# KiCad board oculink-to-pcie-adapter.kicad_pcb (continued)
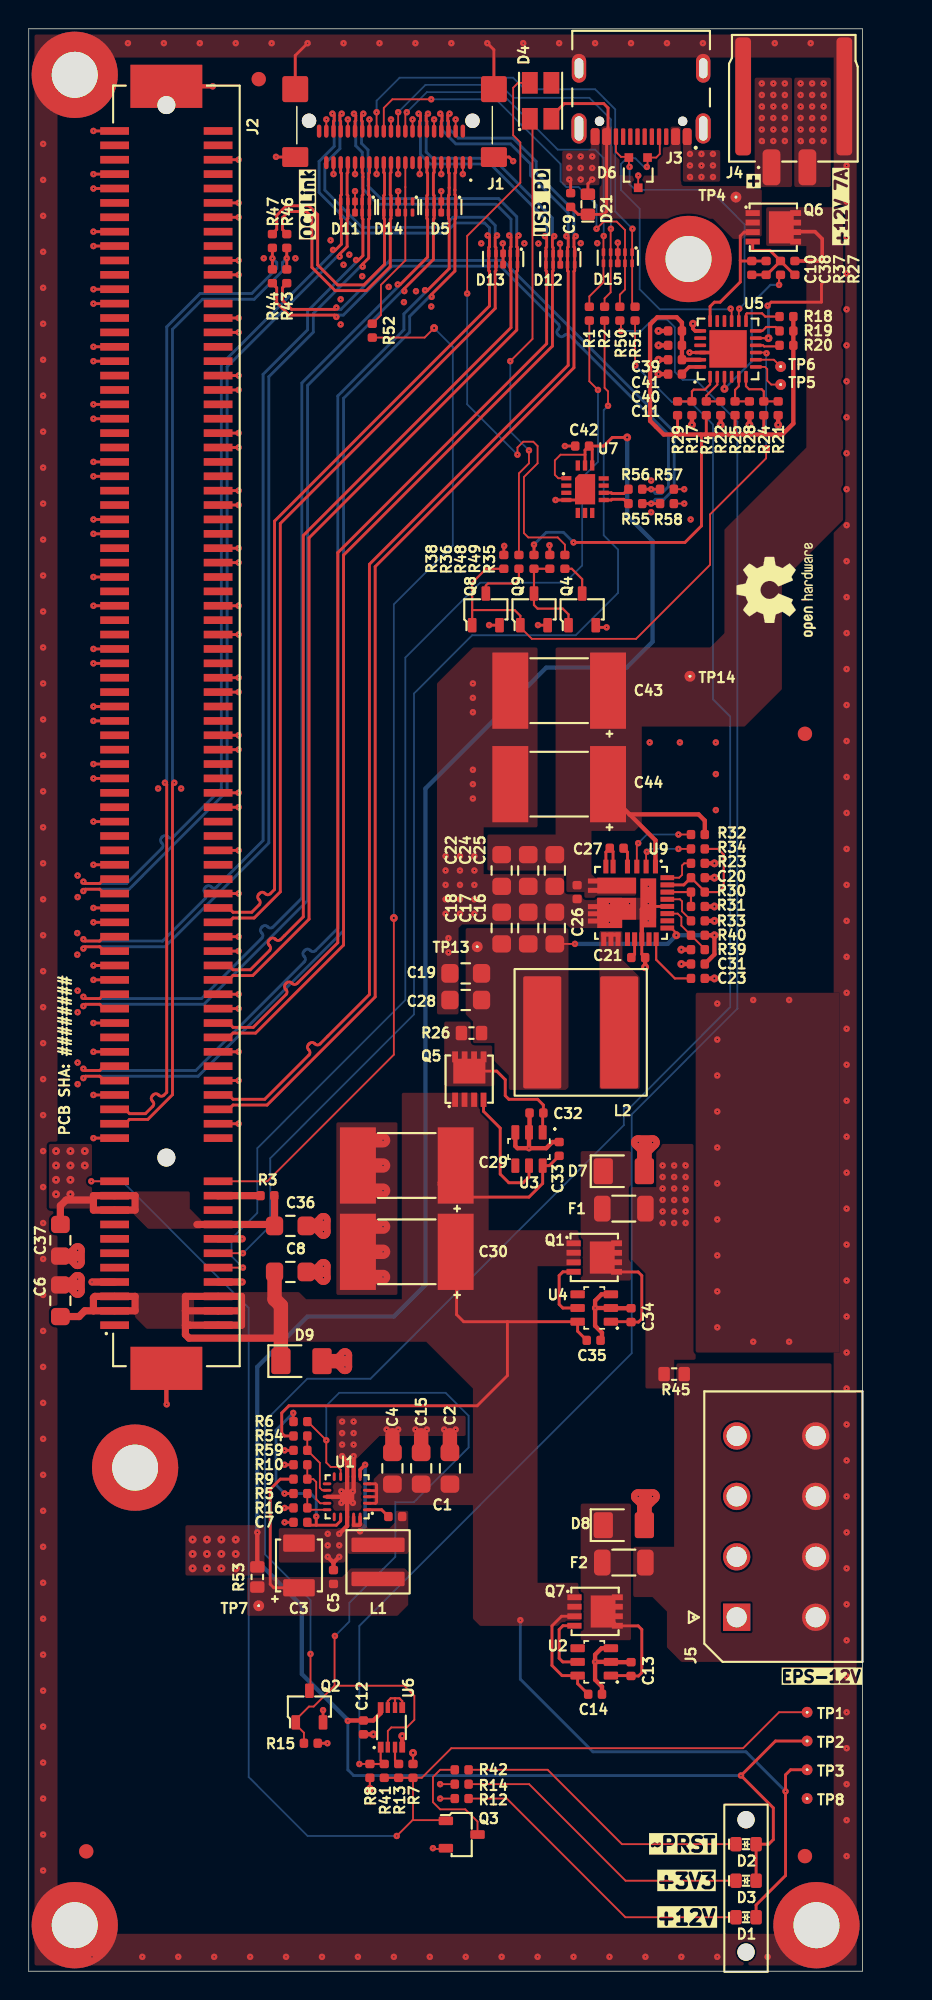
[diagram p0: board, top side]
## Library data of the parts (continued)
U6 = -: Datasheet: https://assets.nexperia.com/documents/data-sheet/74AUP2G132.pdf; Description: Low-power dual 2-input NAND Schmitt trigger; Manufacturer: Nexperia; Author: Antmicro; License: Apache-2.0
U7 = -: Datasheet: https://ww1.microchip.com/downloads/aemDocuments/documents/TCG/ProductDocuments/DataSheets/DSC557-03-04-05-Multiple-Output-MEMS-PCIe-Gen1-2-3-4-Clock-Generators-DS20006691.pdf; Description: Two output PCIe Clock Generator; Manufacturer: Microchip Technology; Val: 100 MHz; Author: Antmicro; License: Apache-2.0
U9 = -: Datasheet: https://www.vishay.com/docs/77113/sic47x.pdf; Description: DC/DC Synchronous Regulator, Adjustable, 4.5V to 55VIn, 0.8V to 50.6V/6AOut, 2MHz, PowerPAK MLP55-27; Manufacturer: Vishay; Author: Antmicro; License: Apache-2.0

## Footprints (pads in the part's own frame, mm; a bottom-side part is the same pattern mirrored in y, then rotated)
AMPHENOL_10146070-113Y0LF
  round 1.25 hole 1.25 unplated: (-29.851,0.5) (43.298,0.5)
  rect 0.53x2 smd: A1(-41.5,4.1) A2(-40.5,4.1) A3(-39.5,4.1) A4(-38.5,4.1) A5(-37.5,4.1) A6(-36.5,4.1) A7(-35.5,4.1) A8(-34.5,4.1) A9(-33.5,4.1) A10(-32.5,4.1) A11(-31.5,4.1) A12(-28.5,4.1) A13(-27.5,4.1) A14(-26.5,4.1) A15(-25.5,4.1) A16(-24.5,4.1) A17(-23.5,4.1) A18(-22.5,4.1) A19(-21.5,4.1) A20(-20.5,4.1) A21(-19.5,4.1) A22(-18.5,4.1) A23(-17.5,4.1) A24(-16.5,4.1) A25(-15.501,4.1) A26(-14.501,4.1) A27(-13.501,4.1) A28(-12.501,4.1) A29(-11.501,4.1) A30(-10.501,4.1) A31(-9.501,4.1) A32(-8.501,4.1) A33(-7.502,4.1) A34(-6.502,4.1) A35(-5.502,4.1) A36(-4.502,4.1) A37(-3.501,4.1) A38(-2.501,4.1) A39(-1.502,4.1) A40(-0.501,4.1) A41(0.498,4.1) A42(1.499,4.1) A43(2.499,4.1) A44(3.499,4.1) A45(4.498,4.1) A46(5.499,4.1) A47(6.499,4.1) A48(7.499,4.1) A49(8.499,4.1) A50(9.499,4.1) A51(10.499,4.1) A52(11.499,4.1) A53(12.499,4.1) A54(13.499,4.1) A55(14.499,4.1) A56(15.499,4.1) A57(16.498,4.1) A58(17.498,4.1) A59(18.498,4.1) A60(19.498,4.1) A61(20.498,4.1) A62(21.498,4.1) A63(22.498,4.1) A64(23.498,4.1) A65(24.498,4.1) A66(25.498,4.1) A67(26.498,4.1) A68(27.499,4.1) A69(28.499,4.1) A70(29.499,4.1) A71(30.499,4.1) A72(31.499,4.1) A73(32.499,4.1) A74(33.499,4.1) A75(34.499,4.1) A76(35.499,4.1) A77(36.499,4.1) A78(37.499,4.1) A79(38.499,4.1) A80(39.499,4.1) A81(40.499,4.1) A82(41.499,4.1) B1(-41.5,-3.1) B2(-40.5,-3.1) B3(-39.5,-3.1) B4(-38.5,-3.1) B5(-37.5,-3.1) B6(-36.5,-3.1) B7(-35.5,-3.1) B8(-34.5,-3.1) B9(-33.5,-3.1) B10(-32.5,-3.1) B11(-31.5,-3.1) B12(-28.5,-3.1) B13(-27.5,-3.1) B14(-26.5,-3.1) B15(-25.5,-3.1) B16(-24.5,-3.1) B17(-23.5,-3.1) B18(-22.5,-3.1) B19(-21.5,-3.1) B20(-20.5,-3.1) B21(-19.5,-3.1) B22(-18.5,-3.1) B23(-17.5,-3.1) B24(-16.5,-3.1) B25(-15.501,-3.1) B26(-14.501,-3.1) B27(-13.501,-3.1) B28(-12.501,-3.1) B29(-11.501,-3.1) B30(-10.501,-3.1) B31(-9.501,-3.1) B32(-8.501,-3.1) B33(-7.502,-3.1) B34(-6.502,-3.1) B35(-5.502,-3.1) B36(-4.502,-3.1) B37(-3.501,-3.1) B38(-2.501,-3.1) B39(-1.502,-3.1) B40(-0.501,-3.1) B41(0.498,-3.1) B42(1.499,-3.1) B43(2.499,-3.1) B44(3.499,-3.1) B45(4.498,-3.1) B46(5.499,-3.1) B47(6.499,-3.1) B48(7.499,-3.1) B49(8.499,-3.1) B50(9.499,-3.1) B51(10.499,-3.1) B52(11.499,-3.1) B53(12.499,-3.1) B54(13.499,-3.1) B55(14.499,-3.1) B56(15.499,-3.1) B57(16.498,-3.1) B58(17.498,-3.1) B59(18.498,-3.1) B60(19.498,-3.1) B61(20.498,-3.1) B62(21.498,-3.1) B63(22.498,-3.1) B64(23.498,-3.1) B65(24.498,-3.1) B66(25.498,-3.1) B67(26.498,-3.1) B68(27.499,-3.1) B69(28.499,-3.1) B70(29.499,-3.1) B71(30.499,-3.1) B72(31.499,-3.1) B73(32.499,-3.1) B74(33.499,-3.1) B75(34.499,-3.1) B76(35.499,-3.1) B77(36.499,-3.1) B78(37.499,-3.1) B79(38.499,-3.1) B80(39.499,-3.1) B81(40.499,-3.1) B82(41.499,-3.1)
  rect 3x5 smd: S1(-44.5,0.5) S2(44.6,0.5)
Amphenol_G14A421211112HR
  round 1 hole 1 unplated: (-5.42,1.395) (5.95,1.395)
  rrect 0.31x0.91 smd: A1(-4.75,2.115) A2(-4.25,2.115) A3(-3.75,2.115) A4(-3.25,2.115) A5(-2.75,2.115) A6(-2.25,2.115) A7(-1.75,2.115) A8(-1.25,2.115) A9(-0.75,2.115) A10(-0.25,2.115) A11(0.25,2.115) A12(0.75,2.115) A13(1.25,2.115) A14(1.75,2.115) A15(2.25,2.115) A16(2.75,2.115) A17(3.25,2.115) A18(3.75,2.115) A19(4.25,2.115) A20(4.75,2.115) A21(5.25,2.115) B1(-5.25,4.305) B2(-4.75,4.305) B3(-4.25,4.305) B4(-3.75,4.305) B5(-3.25,4.305) B6(-2.75,4.305) B7(-2.25,4.305) B8(-1.75,4.305) B9(-1.25,4.305) B10(-0.75,4.305) B11(-0.25,4.305) B12(0.25,4.305) B13(0.75,4.305) B14(1.25,4.305) B15(1.75,4.305) B16(2.25,4.305) B17(2.75,4.305) B18(3.25,4.305) B19(3.75,4.305) B20(4.25,4.305) B21(4.75,4.305)
  rrect 1.81x1.38 smd: SH(-6.91,3.915) SH(6.91,3.915)
  rrect 1.8x1.81 smd: SH(-6.91,-0.805) SH(6.91,-0.805)
C_0402_1005Metric
  rrect 0.59x0.64 smd: 1(-0.48,0) 2(0.48,0)
C_0805_2012Metric
  rrect 1.2x1.3 smd: 1(-1.1,0) 2(1.1,0)
C_Pol_EIA-B
  rrect 1.2x2.2 smd: 1(-1.551,0) 2(1.55,0)
C_Pol_Vishay-T59-EE
  trapezoid 2.5x5.3 smd: 1(-3.4,0) 2(3.4,0)
Conn_Molex_Nano-Fit_1x2_SMD_1054301202
  rrect 1.24x2.5 smd: 1(1.528,4.901) 2(-0.97,4.901)
  rrect 1.1x8.2 smd: MP(-3.54,-0.029) MP(3.499,-0.029)
F_1206_3216Metric
  rrect 1.15x1.8 smd: 1(-1.5,-0.001) 2(1.5,-0.001)
Fiducial_1mm_Mask2mm
  round 1 smd: (0,0)
L_Abracon_ASPIAIG-Q8080
  rrect 2.65x7.8 smd: 1(-2.675,0) 2(2.675,0)
L_WE-MAPI-4020
  rrect 1x3.7 smd: 1(-1.185,0) 2(1.185,0)
LED_0603_1608Metric_G
  rrect 0.8x1 smd: 1(-0.7,0) 2(0.7,0)
Mech_Lightpipe_Mentor_1296.2013
  round 1.2 hole 1.2 unplated: (0,4.96) (0,-4.24)
MOLEX_39288080
  rect 1.9x1.9 hole 1.4: 1(0,0)
  round 1.9 hole 1.4: 2(4.2,0) 3(8.4,0) 4(12.6,0) 5(0,-5.5) 6(4.2,-5.5) 7(8.4,-5.5) 8(12.6,-5.5)
MP_Pad6mm_Drill3.2mm
  round 6 hole 3.2: 1(0,0)
PLCC4_3.2x2.8mm
  rect 1.5x1.1 smd: 1(-1.255,0.74) 2(1.245,0.74) 3(1.245,-0.76) 4(-1.255,-0.76)
QFN-2L_1.6x1x0.55mm
  rrect 0.8x1 smd: 1(-0.7,0) 2(0.7,0)
QFN-20-1EP_3x3mm_P0.45mm
  oval 0.6x0.2 smd: 1(-1.401,0.903) 2(-1.401,0.453) 3(-1.401,0) 4(-1.401,-0.45) 5(-1.401,-0.9) 11(1.398,-0.9) 12(1.398,-0.45) 13(1.398,0) 14(1.398,0.453) 15(1.398,0.903)
  oval 0.2x0.6 smd: 6(-0.903,-1.398) 7(-0.453,-1.398) 8(0,-1.398) 9(0.45,-1.398) 10(0.9,-1.398) 16(0.9,1.401) 17(0.45,1.401) 18(0,1.401) 19(-0.453,1.401) 20(-0.903,1.401)
  rrect 1x1 smd: 21(0,0)
QFN-24-1EP_4x4mm_P0.5mm_EP2.6x2.6mm
  rrect 1.05x1.05 smd: (-0.652,0.652) (-0.652,-0.65) (0.65,0.652) (0.65,-0.65)
  rrect 0.825x0.25 smd: 1(-1.938,1.25) 2(-1.938,0.75) 3(-1.938,0.25) 4(-1.938,-0.248) 5(-1.938,-0.748) 6(-1.938,-1.249) 13(1.937,-1.249) 14(1.937,-0.748) 15(1.937,-0.248) 16(1.937,0.25) 17(1.937,0.75) 18(1.937,1.25)
  rrect 0.25x0.825 smd: 7(-1.25,-1.937) 8(-0.75,-1.937) 9(-0.25,-1.937) 10(0.248,-1.937) 11(0.748,-1.937) 12(1.249,-1.937) 19(1.249,1.938) 20(0.748,1.938) 21(0.248,1.938) 22(-0.25,1.938) 23(-0.75,1.938) 24(-1.25,1.938)
  rect 2.6x2.6 smd: 25(0,0)
R_0402_1005Metric
  rrect 0.59x0.64 smd: 1(-0.48,0) 2(0.48,0)
R_0603_1608Metric
  rrect 0.8x1 smd: 1(-0.7,0) 2(0.7,0)
SC70-3
  rect 0.6x0.6 smd: 1(-1.051,0.65) 2(-1.051,-0.65) 3(1.05,0)
SIC47XED-T1-GE3
  rect 0.95x0.35 smd: 1(-2.525,1.7) 2(-2.525,1.051) 3(-2.525,0.403) 4(-2.525,-0.247) 5(-2.525,-1.249) 6(-2.525,-1.749) 12(2.523,-1.898) 13(2.523,-1.398) 14(2.523,-0.9) 15(2.523,-0.247) 16(2.523,0.25) 17(2.523,0.75) 18(2.523,1.25) 19(2.523,1.75)
  rect 0.35x0.95 smd: 7(-1.52,-2.523) 8(-0.87,-2.523) 9(0.26,-2.523) 10(0.757,-2.523) 11(1.259,-2.523) 20(1.749,2.525) 21(1.249,2.525) 22(0.747,2.525) 23(0.247,2.525) 24(-0.25,2.525) 25(-0.75,2.525) 26(-1.25,2.525) 27(-1.75,2.525)
  rect 1.1x2.7 smd: 7(-1.2,-0.997)
  rect 1.52x2.7 smd: 9(0.409,-0.997)
  rect 2.1x1.73 smd: 9(0.699,-1.485)
  rect 0.3x1.35 smd: 14(2.2,-1.398)
  rect 3.4x1.1 smd: 28(0,1.2)
SOD-123FL
  rrect 1.34x1.8 smd: 1(-1.43,0) 2(1.429,0)
SOT-23-3
  rrect 1x0.6 smd: 1(-1.1,0.951) 2(-1.1,-0.949) 3(1.1,0.001)
SOT-23-6
  rrect 0.55x1 smd: 1(-0.954,-1.1) 2(-0.003,-1.1) 3(0.947,-1.1) 4(0.947,1.214) 5(-0.003,1.214) 6(-0.954,1.214)
TP_Pad0.75mm_Drill0.2mm
  round 0.75 hole 0.2: 1(0,0)
USB-C_Receptacle_GCT_USB4105-GF-A
  round 0.65 hole 0.65 unplated: (-2.891,2.426) (2.89,2.426)
  rrect 0.6x1.15 smd: A1(-3.202,3.5) A4(-2.4,3.5) A9(2.398,3.5) A12(3.2,3.5) B1(3.2,3.5) B4(2.398,3.5) B9(-2.4,3.5) B12(-3.202,3.5)
  rrect 0.3x1.15 smd: A5(-1.25,3.5) A6(-0.25,3.5) A7(0.248,3.5) A8(1.249,3.5) B5(1.749,3.5) B6(0.748,3.5) B7(-0.75,3.5) B8(-1.75,3.5)
  oval 1.05x2.1 hole 0.6x1.7: SH(-4.321,2.926) SH(4.32,2.926)
  oval 1x2 hole 0.6x1.4: SH(-4.321,-1.255) SH(4.32,-1.255)
USON-10_2.5x1mm_P0.5mm
  rrect 0.55x0.25 smd: 1(-0.387,1) 2(-0.387,0.5) 4(-0.387,-0.498) 5(-0.387,-0.998) 6(0.385,-0.998) 7(0.385,-0.498) 9(0.385,0.5) 10(0.385,1)
  rrect 0.55x0.4 smd: 3(-0.387,0) 8(0.385,0)
Vishay_PowerPAK_1212-8_Single
  rect 0.99x0.405 smd: 1(-1.436,0.99) 2(-1.436,0.332) 3(-1.436,-0.33) 4(-1.436,-0.988)
  custom 2.235x2.39 smd: 5(0.557,0)
VQFN-14-1EP_3.2x2.5mm_P0.5mm_Layout4x3
  rect 0.7x0.3 smd: 1(-1.3,0.762) 2(-1.3,0.25) 3(-1.3,-0.25) 4(-1.3,-0.75) 8(1.3,-0.75) 9(1.3,-0.25) 10(1.3,0.25) 11(1.3,0.75)
  rect 0.3x0.7 smd: 5(-0.5,-1.65) 6(0,-1.65) 7(0.5,-1.65) 12(0.5,1.65) 13(0,1.65) 14(-0.5,1.65)
  rrect 1.4x2.1 smd: 15(0.003,0)
VSSOP-8_2.3x2mm_P0.5mm
  rect 0.75x0.4 smd: 1(-1.372,0.742) 4(-1.372,-0.757) 5(1.377,-0.757) 8(1.377,0.742)
  rect 0.75x0.3 smd: 2(-1.372,0.244) 3(-1.372,-0.256) 6(1.377,-0.256) 7(1.377,0.244)

## Nets
+3V3: C12.2 C36.1 C37.1 C42.2 D2.2 D3.2 J2.A9 J2.A10 J2.B8 R3.1 R53.1 TP2.1 U6.8 U7.1 U7.12 U7.13
+12V: C2.2 C4.2 C6.1 C8.1 C14.2 C15.2 C29.1 C30.1 C33.2 C35.2 D1.2 D9.1 J2.A2 J2.A3 J2.B1 J2.B2 J2.B3 Q1.1 Q1.2 Q1.3 Q5.1 Q5.2 Q5.3 Q7.1 Q7.2 Q7.3 R54.1 TP3.1 U1.2 U1.3 U1.4 U1.5 U2.6 U3.6 U4.6
/PCIe-connector/3V3_PCIe_AUX: J2.B10 R3.2
/Power/3V3_BST: C1.1 U1.1
/Power/3V3_CONV: C3.1 C5.2 L1.2 R9.2 R53.2 TP7.1
/Power/3V3_EN: R54.2 R59.2 U1.12
/Power/3V3_FB: R9.1 R10.2 U1.14
/Power/3V3_MODE: R5.1 R16.1 U1.15
/Power/3V3_PG: Q2.1 R6.2 R15.2 U1.9 U6.2
/Power/3V3_SW: C1.2 L1.1 U1.6 U1.19 U1.20
/Power/3V3_VCC: C7.2 R5.2 R6.1 U1.17
/Power/Ideal-diode-1/VIN: C34.2 D7.1 F1.2 Q1.5 U4.1
/Power/Ideal-diode-2/VIN: C13.2 D8.1 F2.2 Q7.5 U2.1
/Power/VCC_DC_CONN_1: F1.1 J4.1 R45.2
/Power/VCC_DC_CONN_2: F2.1 J5.5 J5.6 J5.7 J5.8 R45.1
/Power/VCC_PD: C32.2 Q5.5 R26.1 U3.1
/USB-PD/12V_BOOT: C27.1 U9.4
/USB-PD/12V_CONV: C16.2 C17.2 C18.2 C19.2 C28.2 C31.2 L2.2 R26.2 R40.2 TP13.1 U9.20
/USB-PD/12V_EN: R32.1 U9.3
/USB-PD/12V_FB: R39.2 R40.1 U9.22
/USB-PD/12V_FSW: R33.2 U9.24
/USB-PD/12V_ILIM: R30.2 R31.2 U9.25
/USB-PD/12V_MODE: R23.1 U9.27
/USB-PD/12V_PG: R34.1 U9.2
/USB-PD/12V_SS: C23.1 U9.19
/USB-PD/12V_SW: L2.1 U9.12 U9.13 U9.14
/USB-PD/12V_VDD: C20.2 R30.1 R34.2 U9.26
/USB-PD/12V_VDRV: C21.2 U9.16
/USB-PD/VBUS_EN: R37.1 U5.3
/USB-PD/VBUS_MAX: R4.1 R22.2 U5.2
/USB-PD/VBUS_MIN: R17.2 R29.1 U5.1
/USB-PD/VCC: C22.2 C24.2 C25.2 C26.2 C38.2 C43.1 C44.1 Q6.5 R32.2 TP14.1 U5.11 U9.1 U9.7 U9.8
/USB-PD/VCCD_1V8: C11.2 U5.24
/USB-PD/VDDD_3V3: C39.2 C40.2 C41.2 R4.2 R18.2 R19.2 R20.2 R24.2 R25.2 R29.2 R48.2 U5.23
GND: C2.1 C3.2 C4.1 C5.1 C6.2 C7.1 C8.2 C9.1 C11.1 C12.1 C13.1 C14.1 C15.1 C16.1 C17.1 C18.1 C19.1 C20.1 C21.1 C22.1 C23.2 C24.1 C25.1 C26.1 C28.1 C29.2 C30.2 C31.1 C32.1 C33.1 C34.1 C35.1 C36.2 C37.2 C39.1 C40.1 C41.1 C42.1 C43.2 C44.2 D5.3 D5.8 D6.3 D7.2 D8.2 D9.2 D11.3 D11.8 D12.3 D12.8 D13.3 D13.8 D14.3 D14.8 D15.3 D15.8 D21.2 J1.A2 J1.A5 J1.A8 J1.A11 J1.A14 J1.A17 J1.A20 J1.B2 J1.B5 J1.B8 J1.B11 J1.B14 J1.B17 J1.B20 J1.SH J2.A4 J2.A12 J2.A15 J2.A18 J2.A20 J2.A23 J2.A24 J2.A27 J2.A28 J2.A31 J2.A34 J2.A37 J2.A38 J2.A41 J2.A42 J2.A45 J2.A46 J2.A49 J2.A51 J2.A54 J2.A55 J2.A58 J2.A59 J2.A62 J2.A63 J2.A66 J2.A67 J2.A70 J2.A71 J2.A74 J2.A75 J2.A78 J2.A79 J2.A82 J2.B4 J2.B7 J2.B13 J2.B16 J2.B18 J2.B21 J2.B22 J2.B25 J2.B26 J2.B29 J2.B32 J2.B35 J2.B36 J2.B39 J2.B40 J2.B43 J2.B44 J2.B47 J2.B49 J2.B52 J2.B53 J2.B56 J2.B57 J2.B60 J2.B61 J2.B64 J2.B65 J2.B68 J2.B69 J2.B72 J2.B73 J2.B76 J2.B77 J2.B80 J2.S1 J2.S2 J3.A1 J3.A12 J3.B1 J3.B12 J3.SH J4.2 J4.MP J5.1 J5.2 J5.3 J5.4 MP1.1 MP2.1 MP3.1 MP4.1 MP5.1 Q2.2 Q3.2 Q4.2 Q8.2 Q9.2 R7.1 R8.1 R10.1 R12.1 R14.1 R15.1 R16.2 R17.1 R21.1 R22.1 R23.2 R28.1 R31.1 R33.1 R38.1 R39.1 R49.1 R57.1 R58.1 R59.1 TP8.1 U1.7 U1.8 U1.13 U1.18 U1.21 U2.2 U2.3 U3.2 U3.3 U4.2 U4.3 U5.19 U5.22 U5.25 U6.4 U7.4 U7.15 U9.9 U9.10 U9.11 U9.17 U9.23 U9.28
VBUS: C9.2 C10.2 D4.4 D21.1 J3.A4 J3.A9 J3.B4 J3.B9 Q6.1 Q6.2 Q6.3 R27.2 TP4.1 U5.18
/OCuLink/I2C0.SCL: J2.B5 R1.2
/OCuLink/I2C0.SDA: J2.B6 R2.2
/OCuLink/I2C0C_SCL: D15.5 D15.6 J1.A9 R1.1
/OCuLink/I2C0C_SDA: D15.4 D15.7 J1.A10 R2.1
/OCuLink/PCIe_{REF0}.CK+: J2.A13 R43.2 R46.2
/OCuLink/PCIe_{REF0}.CK-: J2.A14 R44.2 R47.2
/OCuLink/PCIe_{REF0}_R.CK+: D14.4 D14.7 J1.B12 R46.1
/OCuLink/PCIe_{REF0}_R.CK-: D14.5 D14.6 J1.B13 R47.1
/OCuLink/PCIe_{x4}.RX0+: D5.1 D5.10 J1.B3 J2.A16
/OCuLink/PCIe_{x4}.RX0-: D5.2 D5.9 J1.B4 J2.A17
/OCuLink/PCIe_{x4}.RX1+: D5.4 D5.7 J1.B6 J2.A21
/OCuLink/PCIe_{x4}.RX1-: D5.5 D5.6 J1.B7 J2.A22
/OCuLink/PCIe_{x4}.RX2+: D11.1 D11.10 J1.B15 J2.A25
/OCuLink/PCIe_{x4}.RX2-: D11.2 D11.9 J1.B16 J2.A26
/OCuLink/PCIe_{x4}.RX3+: D11.4 D11.7 J1.B18 J2.A29
/OCuLink/PCIe_{x4}.RX3-: D11.5 D11.6 J1.B19 J2.A30
/OCuLink/PCIe_{x4}.TX0+: D12.1 D12.10 J1.A3 J2.B14
/OCuLink/PCIe_{x4}.TX0-: D12.2 D12.9 J1.A4 J2.B15
/OCuLink/PCIe_{x4}.TX1+: D12.4 D12.7 J1.A6 J2.B19
/OCuLink/PCIe_{x4}.TX1-: D12.5 D12.6 J1.A7 J2.B20
/OCuLink/PCIe_{x4}.TX2+: D13.1 D13.10 J1.A15 J2.B23
/OCuLink/PCIe_{x4}.TX2-: D13.2 D13.9 J1.A16 J2.B24
/OCuLink/PCIe_{x4}.TX3+: D13.4 D13.7 J1.A18 J2.B27
/OCuLink/PCIe_{x4}.TX3-: D13.5 D13.6 J1.A19 J2.B28
/OCuLink/~{CPRSNTC}: D15.1 D15.10 J1.A13 R51.1
/OCuLink/~{CPRSNT}: Q2.3 R51.2
/OCuLink/~{PERSTC}: D15.2 D15.9 J1.A12 R50.1
/OCuLink/~{WAKEC}: D14.2 D14.9 J1.B10 R52.1
/OCuLink/~{WAKE}: J2.B11 R52.2
/PCIe-clock-generator/PCIe_{REF1}_R2.CK+: R55.1 U7.8
/PCIe-clock-generator/PCIe_{REF1}_R2.CK-: R56.1 U7.9
/PCIe-clock-generator/PCIe_{REF1}_R.CK+: R43.1 R55.2 R58.2
/PCIe-clock-generator/PCIe_{REF1}_R.CK-: R44.1 R56.2 R57.2
/Power/PERST: U6.5 U6.6 U6.7
/Power/~{PERST_CONN}: R8.2 R41.1 R50.2 U6.1
/Power/~{PERST}: J2.A11 Q3.1 R7.2 R13.2 R41.2 TP1.1
/USB-PD/CC1: D6.1 J3.A5 U5.15
/USB-PD/CC2: D6.2 J3.B5 U5.14
/USB-PD/FAULT: Q8.1 Q9.1 R38.2 U5.9
/USB-PD/FLIP: R20.1 U5.10
/USB-PD/GPIO_1: TP6.1 U5.8
/USB-PD/ISNK_COARSE: R25.1 R28.2 U5.5
/USB-PD/ISNK_FINE: R21.2 R24.1 U5.6
/USB-PD/SCL: R18.1 U5.13
/USB-PD/SDA: R19.1 U5.12
/USB-PD/~{FAULT}: Q4.1 Q9.3 R48.1 R49.2
/USB-PD/~{HPI_INT}: TP5.1 U5.7
Net-(C27-Pad2): C27.2 U9.5 U9.6
Net-(D1-C): D1.1 R12.2
Net-(D2-C): D2.1 R42.2
Net-(D3-C): D3.1 R14.2
Net-(D4-C_{G}): D4.2 R35.2
Net-(D4-C_{R}): D4.1 R36.2
Net-(Q1-G): Q1.4 U4.5
Net-(Q3-D): Q3.3 R42.1
Net-(Q4-D): Q4.3 R35.1
Net-(Q5-G): Q5.4 U3.5
Net-(Q6-G): C10.1 C38.1 Q6.4 R27.1 R37.2
Net-(Q7-G): Q7.4 U2.5
Net-(Q8-D): Q8.3 R36.1
Net-(U6-2Y): R13.1 U6.3

Pads without a net: D4 3; D14 1 10; J1 A1 A21 B1 B9 B21; J2 A1 A5 A6 A7 A8 A19 A32 A33 A35 A36 A39 A40 A43 A44 A47 A48 A50 A52 A53 A56 A57 A60 A61 A64 A65 A68 A69 A72 A73 A76 A77 A80 A81 B9 B12 B17 B30 B31 B33 B34 B37 B38 B41 B42 B45 B46 B48 B50 B51 B54 B55 B58 B59 B62 B63 B66 B67 B70 B71 B74 B75 B78 B79 B81 B82; J3 A6 A7 A8 B6 B7 B8; U1 10 11 16; U2 4; U3 4; U4 4; U5 4 16 17 20 21; U7 2 3 5 6 7 10 11 14; U9 15 18 21

## Via types
v1: diameter 0.55, hole 0.15, Top to Bottom, 51 vias
v2: diameter 0.45, hole 0.1, Top to Bottom, 532 vias

## Routing (per net, layer and track width the routed paths; a pad name or vN(x,y) marks a point on that pad's centre or on a via; arc(x,y) is an arc through that point)
+3V3: length 190.9
  Top w0.125: U7.1 36.84,103.76 36.6,104 36.6,105 37,105.4 38.7,105.4
  Top w0.2: C42.2 39.2,105.78 U7.12 ; C42.2 40,106 40.6,106.6 v1(41.63,106.6) ; C42.2 38.7,105.72 U7.13 ; D3.2 D2.2 51.48,8.83 51.8,9.15 51.8,11.35 v2(49.55,13.6) 51.95,16 TP2.1
  Top w0.3: 24.48,18.32 24.48,17.93 23.97,17.43 C12.2 22.23,17.43 v2(22.2,17.4) ; R53.1 v2(15.9,30.5)
  Top w0.5: 11.7,51.9 J2.B8 17,51.9 C36.1 17.1,53.88 R3.1 ; 4.5,53.6 4.5,53.9 J2.A10 7.4,53.9 7.4,52.9 J2.A9 4.5,52.9 4.5,53.6 ; 4.5,53.6 2.6,53.6 2.2,53.2 C37.1
  Bottom w0.2: v2(49.55,13.6) 22.6,13.6 22.2,14 v2(22.2,17.4)
  Bottom w0.3: v1(41.63,106.6) 41.63,101.17 43.4,99.4 43.4,92.4 41.6,90.6 36,90.6 27.6,82.2 27.6,47.7 25.4,45.5 19.4,45.5 15.9,42 v2(15.9,30.5) 15.9,28.5 19,25.4 19,20.65 22.2,17.45 v2(22.2,17.4)
  vias: v1(1.9,57) v1(1.9,56) v1(1.9,55) v1(1.9,54) v1(2.9,57) v1(2.9,56) v1(2.9,55) v1(2.9,54) v1(3.9,57) v1(3.9,56) v1(11.4,30) v1(11.4,29) v1(11.4,28) v1(12.4,30) v1(12.4,29) v1(12.4,28) v1(13.4,30) v1(13.4,29) v1(13.4,28) v1(14.4,30) v1(14.4,29) v1(14.4,28)
+12V: length 139.9
  Top w0.2: 24.2,33.6 24.2,33.8 24.12,33.88 23.55,33.88 ; 24.2,33.6 24.2,33.4 23.58,33.4 U1.4 ; 24.2,33.6 24.2,33 ; C14.2 38.19,19.98 U2.6 37.1,20.55 36.4,21.25 36.4,24 37.07,24.67 Q7.3 ; C33.2 36.22,55.99 U3.6 35.75,54.75 34.8,53.8 29.4,53.8 28.55,54.65 28.55,54.82 29.76,56.03 ; 24.2,33 24.2,32.6 24.12,32.52 U1.2 ; 24.2,33 24.17,32.97 U1.3 ; 33.3,45.14 U4.6 38.19,44.48 C35.2 ; 33.3,45.14 33.3,41.4 31.2,39.3 18.1,39.3 17.6,38.8 17.6,37.4 17.8,37.2 R54.1 ; 33.3,45.14 30.26,45.14 29.76,45.64 29.76,49.68 ; D1.2 50.6,4.6 52.65,6.65 v2(52.65,12.5) 52.65,13.65 53,14 TP3.1
  Top w0.5: 10.9,44.9 J2.B1 14.8,44.9 14.8,45.9 ; 10.9,44.9 10.9,44.25 11.15,44 17.29,44 17.54,44.25 ; 10.9,44.9 10.9,45.9 ; 4.5,45.9 3.9,45.9 3.5,45.5 C6.1 ; 4.5,45.9 J2.A2 7.4,45.9 7.4,46.9 J2.A3 4.6,46.9 4.5,46.8 4.5,45.9 ; 14.8,45.9 J2.B2 10.9,45.9 ; 14.8,45.9 14.8,46.9 J2.B3 10.9,46.9 10.9,45.9
  Top w1: D9.1 17.54,46.27 17.1,46.71 C8.1
  Bottom w0.2: v2(34.2,24.4) 34.2,20.3 39.25,15.25 49.9,15.25 v2(52.65,12.5)
/PCIe-connector/3V3_PCIe_AUX: length 2.9
  Top w0.5: R3.2 J2.B10
/Power/3V3_BST: length 1.7
  Top w0.2: C1.1 24.55,32.07 U1.1
/Power/3V3_CONV: length 10.6
  Top w0.2: C3.1 17.05,26.65 16.8,26.9 16.8,33.5 17.5,34.2 R9.2
/Power/3V3_EN: length 4.5
  Top w0.125: U1.12 20.43,33.42 20.25,33.6 20.25,35.33 R59.2 R54.2
/Power/3V3_FB: length 3.8
  Top w0.125: R10.2 R9.1 19.8,34.2 20,34 20,32.8 20.28,32.52 U1.14
/Power/3V3_MODE: length 2.4
  Top w0.125: U1.15 19.51,32.07 R16.1 R5.1
/Power/3V3_PG: length 58.2
  Top w0.125: v2(21.3,23.3) 21.27,23.27 21.27,19.84 ; 21.27,19.84 19.83,18.4 19.5,18.4 18.57,17.47 18.57,17.15 19.14,16.58 R15.2 ; 21.27,19.84 26.12,19.85 26.82,19.15 26.82,17.47 26.3,16.95 25.22,16.95 24.98,16.7 U6.2 ; U1.9 21.7,34.85 21.5,35.05 21,35.05 20.7,35.35 v2(20.7,36.9) 19.4,38.2 R6.2
  Bottom w0.125: v2(20.7,36.9) 20.7,39.3 21.6,40.2 29,40.2 30.6,38.6 30.6,36.4 26.8,32.6 25.5,32.6 25.5,28.8 22.3,25.6 22.3,24.3 v2(21.3,23.3)
/Power/3V3_SW: length 7.3
  Top w0.25: U1.6 23.05,34.85 v2(23.4,35.2) ; 22.6,31 22.6,31 ; 22.6,31 U1.19 ; 22.6,31 23,31 23,31 23.05,31.05 U1.20
  Bottom w0.25: v2(23.4,35.2) 23.4,30.93 v2(23.05,30.57)
/Power/3V3_VCC: length 14.5
  Top w0.2: 20,31 21.4,31 21.7,31.3 U1.17 ; 20,31 19.58,31 C7.2 ; 20,31 v2(20,31.6) ; R6.1 18.4,38.22 v2(18.4,38.8) ; R5.2 v2(17.8,33.2)
  Bottom w0.2: v2(20,31.6) 20,32.8 19.6,33.2 v2(17.8,33.2) 17.2,33.8 17.2,37.6 v2(18.4,38.8)
/Power/Ideal-diode-1/VIN: length 7.1
  Top w0.2: 40.96,48.6 42.4,48.6 42.65,48.35 42.65,45.35 42.42,45.12 C34.2 41.87,45.14 U4.1
/Power/Ideal-diode-2/VIN: length 8.5
  Top w0.2: Q7.5 40.96,24 42.4,24 42.65,23.75 42.65,20.75 42.42,20.52 C13.2 41.87,20.55 U2.1
/Power/VCC_DC_CONN_1: length 0.4
  Top w0.3: 45.63,53.67 v2(45.7,53.6) ; 45.63,56.07 v2(45.7,56) ; 51.07,129.53 v2(51,129.6) ; 51.07,127.13 v2(51,127.2)
  vias: v2(44.1,56) v2(44.1,55.2) v2(44.1,54.4) v2(44.1,53.6) v2(44.1,52.8) v2(44.1,52) v2(44.9,56) v2(44.9,55.2) v2(44.9,54.4) v2(44.9,53.6) v2(44.9,52.8) v2(44.9,52) v2(45.7,55.2) v2(45.7,54.4) v2(45.7,52.8) v2(45.7,52) v2(51,131.2) v2(51,130.4) v2(51,128.8) v2(51,128) v2(51.8,131.2) v2(51.8,130.4) v2(51.8,129.6) v2(51.8,128.8) v2(51.8,128) v2(51.8,127.2) v2(52.6,131.2) v2(52.6,130.4) v2(52.6,129.6) v2(52.6,128.8) v2(52.6,128) v2(52.6,127.2)
/Power/VCC_PD: length 8.7
  Top w0.2: Q5.5 32.56,62.56 33.15,61.96 33.15,60.85 33.4,60.6 35.4,60.6 35.8,60.2 C32.2 35.75,59.6 U3.1
/USB-PD/12V_BOOT: length 1.4
  Top w0.2: U9.4 41.65,77.78 C27.1
/USB-PD/12V_CONV: length 15.9
  Top w0.125: C16.2 v2(38,71.4)
  Top w0.15: v1(47.7,72) R40.2 ; 44.43,72.5 44.7,72.5 45.05,72.15 v1(45.05,72)
  Top w0.3: C31.2 47.7,70.67 v1(47.7,72) R40.2
  Bottom w0.3: v1(47.7,72) v1(45.05,72) 44.45,71.4 v2(38,71.4)
/USB-PD/12V_EN: length 5.6
  Top w0.125: v2(42.4,78.4) 42.3,78.3 U9.3 ; v2(45.2,79) R32.1
  Bottom w0.125: v2(42.4,78.4) 43,79 v2(45.2,79)
/USB-PD/12V_FB: length 4
  Top w0.125: R39.2 47.03,71.04 R40.1 45.4,72.67 45.4,73.25 45.15,73.5 44.43,73.5
/USB-PD/12V_FSW: length 2.7
  Top w0.125: U9.24 45.31,74.5 45.45,74.36 45.45,73.66 46.07,73.04 R33.2
/USB-PD/12V_ILIM: length 2.6
  Top w0.15: R31.2 R30.2 U9.25
/USB-PD/12V_MODE: length 2.4
  Top w0.125: R23.1 45.6,77 45.45,76.85 45.45,76.2 45.25,76 U9.27
/USB-PD/12V_PG: length 4.2
  Top w0.125: v2(45.2,78) R34.1 ; U9.2 42.95,77.75 v2(43,77.8)
  Bottom w0.125: v2(45.2,78) 43.2,78 v2(43,77.8)
/USB-PD/12V_SS: length 4.4
  Top w0.15: C23.1 44.95,69 43.65,70.3 U9.19
/USB-PD/12V_VDD: length 8.5
  Top w0.15: R34.2 47.95,78 48.35,77.6 48.35,75.35 48,75 R30.1 47.03,75.04 C20.2
  Top w0.2: C20.2 45.57,75.5 U9.26
/USB-PD/12V_VDRV: length 1.4
  Top w0.2: U9.16 42.15,70.68 C21.2
/USB-PD/VBUS_EN: length 10.7
  Top w0.15: R37.1 52.2,117.8 v2(52.2,117.2) ; v1(48.4,109.97) U5.3
  Bottom w0.15: v2(52.2,117.2) 51.6,117.2 50.3,115.9 50.3,111.87 v1(48.4,109.97)
/USB-PD/VBUS_MAX: length 3
  Top w0.15: U5.2 47.9,110.26 47.14,109.5 R4.1 R22.2
/USB-PD/VBUS_MIN: length 3.7
  Top w0.15: R29.1 R17.2 46.14,109.8 46.26,109.92 47.04,109.92 47.4,110.29 U5.1
/USB-PD/VCC: length 28.3
  Top w0.15: v1(51.46,113.5) U5.11
  Top w0.2: 55.2,117.3 55.15,117.25 55.15,116 51.65,116 v2(51.4,115.75)
  Top w0.25: C38.2 55.06,118.86 55.2,119 55.2,120.4 54.7,120.9 52.66,120.9 Q6.5
  Top w0.3: 41.8,80.4 46.6,80.4 47.03,79.97 R32.2 ; 41.8,80.4 40.3,81.9 C44.1 ; 41.8,80.4 43.6,78.6 U9.1
  Bottom w0.2: v1(51.46,113.5) 51.46,115.69 v2(51.4,115.75)
/USB-PD/VCCD_1V8: length 1.5
  Top w0.25: C11.2 45.94,111.5 U5.24
/USB-PD/VDDD_3V3: length 58.6
  Top w0.15: R18.2 R19.2 R20.2
  Top w0.2: R24.2 51.14,106.86 51.08,106.8 ; 46.75,106.8 46.8,106.75 46.8,100.45 45.65,99.3 v2(37.9,99.3) ; R25.2 49.14,106.81 49.13,106.8 ; R29.2 45.14,106.86 45.08,106.8 ; R48.2 v2(35.15,99.15) ; 47.08,106.8 47.14,106.86 R4.2
  Top w0.3: U5.23 45.44,112 C40.2 45.44,114.58 45.08,114.95 43.73,114.95 43.23,114.45 43.23,107.75 44.18,106.8 52.43,106.8 53.19,107.57 R20.2 R18.2
  Bottom w0.2: v2(35.15,99.15) 36,100 37.2,100 v2(37.9,99.3)
GND: length 247
  Top w0.125: v2(32.98,120.09) 33,120.06 D13.3 ; J1.A20 v2(20.7,128.7) ; D6.3 v2(42.4,124.8) ; J1.A17 v2(22.2,128.7) ; J1.B5 v2(28.7,124.9) ; v2(25.7,123.71) D14.3 D14.8 ; J1.B2 v2(30.2,124.9) ; R58.1 v2(45.6,102) ; v2(28.7,123.71) D5.3 D5.8 ; J1.A5 v2(28.2,128.7) ; J1.A2 v2(29.7,128.7) ; R12.1 v2(28.62,12) ; J1.B20 v2(21.2,124.9) ; v2(28.12,8.55) 28.17,8.5 28.97,8.5 Q3.2 ; v2(36.96,120.07) 36.98,120.05 D12.3 ; R57.1 v2(45.6,103) ; J1.A11 v2(25.2,128.7) ; R14.1 v2(28.62,13) ; D11.8 D11.3 v2(22.7,123.71) ; J1.B8 v2(27.2,124.9) ; J1.A8 v2(26.7,128.7) ; v2(40.98,120.14) 40.98,120.13 D15.3 ; J1.B11 v2(25.7,124.9) ; J1.B14 v2(24.2,124.9) ; J1.B17 v2(22.7,124.9) ; J1.A14 v2(23.7,128.7)
  Top w0.15: R8.1 v1(23.73,12.67) ; R7.1 v1(26.73,15.17)
  Top w0.2: v2(14.6,80.9) 14.6,80.9 J2.B35 ; J2.B36 14.6,81.9 v2(14.6,81.9) ; 13.17,106.9 v2(14.6,106.9) ; 5.97,91.9 v2(4.5,91.9) ; J2.A24 v2(4.5,69.9) ; 5.97,115.9 v2(4.5,115.9) ; J1.SH 33.41,126.09 v2(33.7,125.8) ; v2(32.03,93.56) 32.03,93.55 Q8.2 ; 13.17,113.9 14.6,113.9 v2(14.6,113.9) ; J2.A45 v2(4.5,90.9) ; J2.A38 v2(4.5,83.9) ; J2.B29 v2(14.6,74.9) ; J2.B52 14.6,97.9 v2(14.6,97.9) ; 5.97,87.9 v2(4.5,87.9) ; J2.A34 v2(4.5,79.9) ; R15.1 v2(20.77,15.85) ; R49.1 36.25,99.08 v2(36.23,99.11) ; J1.SH 18.54,133.14 v2(19.4,134) ; J2.B40 v2(14.6,85.9) ; J2.A51 v2(4.5,96.9) ; v2(14.6,84.9) 14.6,84.9 J2.B39 ; v2(14.6,102.9) 14.6,102.9 13.17,102.9 ; v2(35.43,93.56) 35.43,93.55 Q9.2 ; J2.B16 v2(14.6,61.9) ; C42.1 v2(37.3,106) ; J2.A27 v2(4.5,72.9) ; v2(17.8,36.2) R59.1 ; J2.B77 v2(14.6,122.9) ; J2.B76 v2(14.6,121.9) ; J2.B32 v2(14.6,77.9) ; J2.B65 14.6,110.9 v2(14.6,110.9) ; v2(39.2,124.53) 38.9,124.23 D21.2 ; D13.8 D13.3 ; J2.A12 v2(4.5,57.9) ; J2.B56 14.6,101.9 v2(14.6,101.9) ; C21.1 42.65,70.68 U9.17 ; v2(31.9,134) 32.36,133.54 J1.SH ; J2.A59 v2(4.5,104.9) ; v2(14.6,105.9) 14.6,105.9 13.17,105.9 ; J2.A66 v2(4.5,111.9) ; v2(33.08,99.06) 33.05,99.03 R38.1 ; J2.B80 v2(14.6,125.9) ; J2.B26 v2(14.6,71.9) ; C9.1 37.7,124.43 v2(37.6,124.53) ; Q4.2 39.6,93.4 v2(40.2,93.4) ; J2.B13 v2(14.6,58.9) ; v2(14.6,109.9) 14.6,109.9 J2.B64 ; v2(17.2,126.1) 17.22,126.09 J1.SH ; U9.23 43.35,74 ; J2.B47 v2(14.6,92.9) ; 5.97,108.9 v2(4.5,108.9) ; J2.B22 v2(14.6,67.9) ; J2.A15 v2(4.5,60.9) ; J2.A20 v2(4.5,65.9) ; Q2.2 v2(20.47,18.14) ; 5.97,123.9 v2(4.5,123.9) ; U7.15 38.3,102.6 38.3,102.3 38.25,102.25 U7.4 v2(36.65,102.25) ; J2.B18 v2(14.6,63.9) ; J2.B73 v2(14.6,118.9) ; J2.B21 v2(14.6,66.9) ; D12.8 D12.3 ; J2.A28 v2(4.5,73.9) ; J2.B69 14.6,114.9 v2(14.6,114.9) ; J2.A75 v2(4.5,120.9) ; 5.97,107.9 v2(4.5,107.9) ; J2.A31 v2(4.5,76.9) ; 5.97,116.9 v2(4.5,116.9) ; J2.A82 v2(4.5,127.9) ; J2.A49 v2(4.5,94.9) ; v2(14.6,98.9) 14.6,98.9 J2.B53 ; J2.A23 v2(4.5,68.9) ; R16.2 v2(17.8,32.2) ; J2.A55 v2(4.5,100.9) ; J2.A18 v2(4.5,63.9) ; J2.A67 v2(4.5,112.9) ; J2.A37 v2(4.5,82.9) ; J2.B72 14.6,117.9 v2(14.6,117.9) ; J2.B44 v2(14.6,89.9) ; J2.A54 v2(4.5,99.9) ; 5.97,124.9 v2(4.5,124.9) ; J2.A58 v2(4.5,103.9) ; R10.1 v2(17.8,35.2) ; D15.8 D15.3 ; J2.A74 v2(4.5,119.9) ; J2.B43 v2(14.6,88.9) ; J2.A41 v2(4.5,86.9) ; U5.22 v2(45.98,112.5) ; J2.B25 v2(14.6,70.9) ; C7.1 v2(17.8,31.2) ; J2.B49 v2(14.6,94.9)
  Top w0.25: v1(46.21,114.5) 46.21,114.15 46.36,114 U5.19 ; U5.22 48.4,112.5 U5.25
  Top w0.3: 39.88,43.85 39.88,44.38 39.4,44.86 39.4,46.1 ; 21.2,28.4 v2(21.6,28.8) ; 21.2,28.4 C5.1 ; 21.2,28.4 v2(20.8,28.8) ; R22.1 v1(48.14,107.47) ; v2(34.8,57.2) 34,57.2 33.85,57.35 U3.3 ; v2(34.8,57.2) 34.8,57.2 U3.2 34.84,58.34 C32.1 ; v2(34.8,57.2) 36,57.2 36.43,57.63 C33.1 ; 39.4,46.1 v2(39.4,46.09) U4.2 40.52,46.08 C34.1 ; 39.4,46.1 39.4,46.6 39.85,47.04 U4.3 ; C21.1 v1(42.88,69.78) ; C20.1 v1(47.7,76) ; 53.77,129.53 v2(53.7,129.6) ; U9.17 42.65,73.8 U9.28 ; v2(39.4,21.5) 39.4,20.26 39.88,19.78 C14.1 ; v2(39.4,21.5) 39.4,21.5 U2.2 40.52,21.48 C13.1 ; v2(39.4,21.5) 39.4,22 39.85,22.45 U2.3 ; C23.2 v1(47.7,69) ; 53.77,127.13 v2(53.7,127.2) ; v2(22.6,35.8) 22.6,35.8 U1.7 22.6,33.43 U1.21 ; U6.4 v1(25.98,16.34) ; R17.1 v1(46.14,107.47) ; C12.1 v1(23.97,16.47) ; 52.14,108.14 v1(52.14,107.47) ; U1.21 U1.18 22.15,30.95 v2(21.6,30.4) ; U1.21 U1.13 ; U1.21 U1.8 22.15,35.45 v2(21.8,35.8) ; C11.1 v1(43.81,111) ; C41.1 v1(43.81,113) ; R31.1 v1(47.7,74) ; 37.67,124.46 v2(37.6,124.53) ; J2.S2 v2(12.8,131) ; C31.1 v1(45.4,70) ; 46.07,124.63 v2(46,124.7) ; J2.S1 9.57,39.43 v2(9.6,39.4) ; R39.1 v1(45.4,71) ; R33.1 v1(47.7,73) ; C39.1 v1(43.81,114) ; C40.1 v1(43.81,112) ; R28.1 v1(50.14,107.47) ; R23.2 v1(47.7,77)
  Top w0.5: J2.B7 v2(14.85,50.9) ; J2.B4 v2(14.85,47.9) ; J2.A4 v2(4.4,47.9)
  Top w1: 22.9,57.75 v2(24.65,57.75) ; 20.1,51.8 v2(20.5,52.2) v2(20.5,51.4) 20.1,51.8 ; 20.1,51.8 C36.2 ; D9.2 21.6,42.4 ; 21.6,42.4 v2(22,42) v2(22,42.8) 21.6,42.4 ; 3,47.7 C6.2 ; 3,47.7 v2(3.4,48.1) v2(3.4,47.3) 3,47.7 ; 22.9,51.75 v2(24.65,51.75) ; 3,49.7 C37.2 ; 3,49.7 v2(3.4,49.3) v2(3.4,50.1) 3,49.7 ; 20.1,48.6 v2(20.5,49) v2(20.5,48.2) 20.1,48.6 ; 20.1,48.6 C8.2 ; C30.2 v2(24.65,50) ; C4.1 25.3,37.25 ; 22.9,54.25 v2(24.65,54.25) ; C29.2 v2(24.65,56) ; C15.1 27.3,37.25 ; 22.9,48.25 v2(24.65,48.25) ; C2.1 29.3,37.25 ; 42.83,57.03 v2(43.4,57.6) v2(42.4,57.6) 42.83,57.17 42.83,55.6 42.83,57.03 ; 42.83,31 42.83,32.57 v2(42.4,33) v2(43.4,33) 42.83,32.43 42.83,31
  vias: v2(1,127) v2(1,124.5) v2(1,122) v2(1,119.5) v2(1,117) v2(1,114.5) v2(1,112) v2(1,109.5) v2(1,107) v2(1,104.5) v2(1,102) v2(1,99.5) v2(1,97) v2(1,94.5) v2(1,92) v2(1,89.5) v2(1,87) v2(1,84.5) v2(1,82) v2(1,79.5) v2(1,77) v2(1,74.5) v2(1,72) v2(1,69.5) v2(1,67) v2(1,64.5) v2(1,62) v2(1,59.5) v2(1,57) v2(1,54.5) v2(1,52) v2(1,49.5) v2(1,47) v2(1,44.5) v2(1,42) v2(1,39.5) v2(1,37) v2(1,34.5) v2(1,32) v2(1,29.5) v2(1,27) v2(1,24.5) v2(1,22) v2(1,19.5) v2(1,17) v2(1,14.5) v2(1,12) v2(1,9.5) v2(1,7) v2(3.4,76.15) v2(3.4,74.65) v2(3.38,72.15) v2(3.38,70.65) v2(3.4,68.15) v2(3.4,66.65) v2(3.4,63.15) v2(3.4,61.65) v2(4.4,1) v2(6.9,134) v2(7.9,1) v2(9,82.2) v2(9.4,134) v2(10.4,1) v2(10.6,82.2) v2(11.9,134) v2(12.9,1) v2(14.4,134) v2(15.4,1) v2(16.35,119.05) v2(16.9,134) v2(17.9,1) v2(18.55,119.05) v2(20.4,1) v2(20.8,30.4) v2(20.8,29.6) v2(21,120.3) v2(21.6,29.6) v2(21.7,116.2) v2(21.7,114.45) v2(21.75,33.35) v2(21.75,32.55) v2(21.8,38.2) v2(21.8,37.4) v2(21.8,36.6) v2(21.9,134) v2(21.9,118.6) v2(22.3,119.3) v2(22.6,38.2) v2(22.6,37.4) v2(22.6,36.6) v2(22.55,33.35) v2(22.55,32.55) v2(22.9,1) v2(23.2,117.8) v2(24.4,134) v2(24.9,37.65) v2(25.04,117.06) v2(25.4,1) v2(25.7,37.65) v2(26.1,116) v2(26.9,134) v2(26.94,116.76) v2(26.9,37.65) v2(27.7,37.65) v2(27.9,1) v2(28,115.7) v2(28.9,37.65) v2(29,77.5) v2(29,76.5) v2(29,75.5) v2(29,74.5) v2(29,73.5) v2(29.2,71.8) v2(29.2,70.8) v2(29.4,134) v2(29.7,37.65) v2(30,77.5) v2(30,76.5) v2(30,75.5) v2(30,74.5) v2(30,73.5) v2(30.4,1) v2(30.9,89.5) v2(30.9,88.5) v2(30.9,87.5) v2(30.9,83.5) v2(30.9,82.5) v2(30.9,81.5) v2(31,77.5) v2(31,76.5) v2(31,75.5) v2(31,74.5) v2(31,73.5) v2(31.48,120.09) v2(32.9,1) v2(34.4,134) v2(34.48,120.09) v2(35.4,1) v2(35.46,120.07) v2(36.9,134) v2(37.6,126.13) v2(37.6,125.33) v2(37.9,1) v2(38.4,126.13) v2(38.4,125.33) v2(38.4,124.53) v2(38.4,120.1) v2(39.2,126.13) v2(39.2,125.33) v2(39.4,134) v2(39.55,120.1) v2(40.4,74.2) v2(40.4,72.9) v2(40.4,1) v2(41.8,74.2) v2(41.9,134) v2(42.9,1) v2(43.1,75.4) v2(43.1,74.2) v2(43.1,73) v2(43.2,85.4) v2(43.3,103.6) v2(43.3,101.4) v2(44.4,134) v2(45.3,85.4) v2(45.4,1) v2(46,126.3) v2(46,125.5) v2(46.05,100.9) v2(46.8,126.3) v2(46.8,125.5) v2(46.8,124.7) v2(46.9,134) v2(47.6,126.3) v2(47.6,125.5) v2(47.6,124.7) v2(47.8,85.4) v2(47.8,83.2) v2(47.8,80.7) v2(47.9,67.25) v2(47.9,64.75) v2(47.9,62.25) v2(47.9,59.75) v2(47.9,57.25) v2(47.9,54.75) v2(47.9,52.25) v2(47.9,49.75) v2(47.9,47.25) v2(47.9,44.75) v2(47.9,1) v2(50.4,67.5) v2(50.4,43.75) v2(51.4,1) v2(51.9,134) v2(52.9,67.5) v2(52.9,43.75) v2(53.7,131.2) v2(53.7,130.4) v2(53.7,128.8) v2(53.7,128) v2(54.4,134) v2(54.5,131.2) v2(54.5,130.4) v2(54.5,129.6) v2(54.5,128.8) v2(54.5,128) v2(54.5,127.2) v2(55.3,131.2) v2(55.3,130.4) v2(55.3,129.6) v2(55.3,128.8) v2(55.3,128) v2(55.3,127.2) v2(56.9,125.5) v2(56.9,123) v2(56.9,120.5) v2(56.9,118) v2(56.9,115.5) v2(56.9,113) v2(56.9,110.5) v2(56.9,108) v2(56.9,105.5) v2(56.9,103) v2(56.9,100.5) v2(56.9,98) v2(56.9,95.5) v2(56.9,93) v2(56.9,90.5) v2(56.9,88) v2(56.9,85.5) v2(56.9,83) v2(56.9,80.5) v2(56.9,78) v2(56.9,75.5) v2(56.9,73) v2(56.9,70.5) v2(56.9,68) v2(56.9,65.5) v2(56.9,63) v2(56.9,60.5) v2(56.9,58) v2(56.9,55.5) v2(56.9,53) v2(56.9,50.5) v2(56.9,48) v2(56.9,45.5) v2(56.9,43) v2(56.9,40.5) v2(56.9,38) v2(56.9,35.5) v2(56.9,33) v2(56.9,30.5) v2(56.9,28) v2(56.9,25.5) v2(56.9,23) v2(56.9,20.5) v2(56.9,18) v2(56.9,15.5) v2(56.9,13) v2(56.9,10.5) v2(56.9,8)
